# KiCad board Z3660_v021b.kicad_pcb (continued)
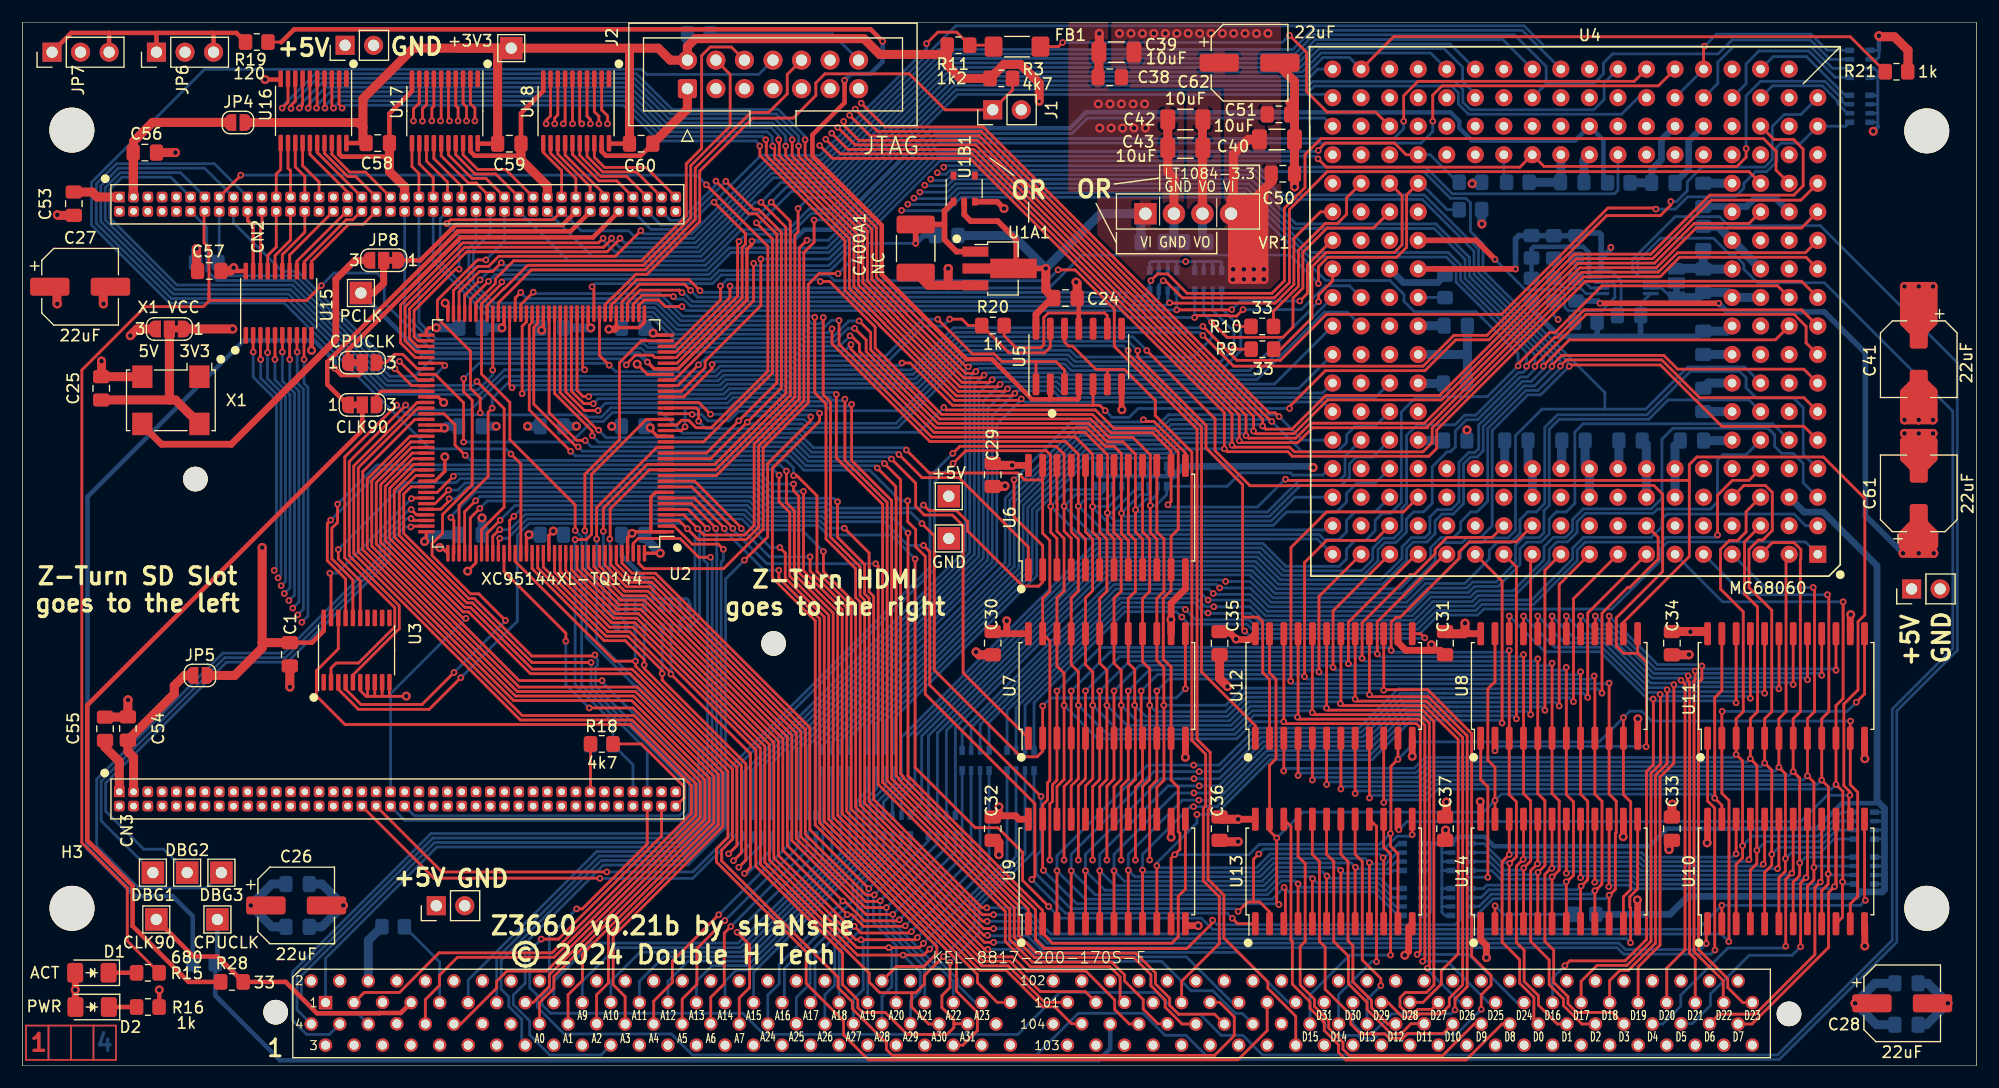
[diagram p0: board, top side]
## Routing (per net, layer and track width the routed paths; a pad name or vN(x,y) marks a point on that pad's centre or on a via; arc(x,y) is an arc through that point) (continued)
  Bottom w0.25: RN2.5 162.29,83.6 U4.127 158.29,82.1 156.53,82.1 156.15,81.72 156.15,80.47 155.24,79.56 154.26,79.56 153.21,78.51 153.21,78.08 152.45,77.32 148.21,77.32 147.12,76.23 v2(145.39,76.23) ; v2(105.06,65.8) 104.93,65.66 82.85,65.66 79.1,61.91 68.72,61.91 68.37,62.25 62.08,62.25 61.58,61.75 52.81,61.75 v2(52.22,62.33) 52.06,62.5 40.63,62.5 v2(39.27,61.14) ; v2(38.4,34.98) 42.99,39.56 v2(42.99,39.61)
_040EMUL: length 143.8
  Top w0.25: v2(149.71,90.72) 149.63,90.65 U4.166 ; v2(55.04,74.3) 52.77,72.03 42.39,72.03 41.49,71.13 40.51,71.13 38.36,68.97 U2.71
  Bottom w0.25: RN1.8 160.64,90.36 159.19,91.8 150.78,91.8 v2(149.71,90.72) 135.47,90.72 133.65,92.54 114.78,92.54 114.62,92.54 83.07,92.54 71.15,80.62 66.17,80.62 59.57,74.02 55.31,74.02 v2(55.04,74.3) ; U4.150 U4.166
_040IPEND: length 172.9
  Top w0.25: v2(34.1,58.79) 34.1,58.76 29.09,53.75 29.09,45.36 33.54,40.91 33.54,38.88 29.41,34.75 U3.5 ; v2(105.06,64.98) 107.8,62.25 124.66,62.25 127.41,64.99 130.35,64.99 141.01,75.65 145.78,75.65 146.71,76.58 v2(146.71,76.9)
  Bottom w0.25: v2(34.1,58.79) 34.55,58.34 39.87,58.34 42.88,61.35 43.22,61.35 43.22,61.35 61.75,61.35 62.25,61.85 68.21,61.85 68.55,61.51 79.27,61.51 83.02,65.26 104.79,65.26 v2(105.06,64.98) ; U4.145 158.29,84.64 156.8,84.64 155.75,83.59 155.75,80.63 155.07,79.96 149.48,79.96 148.18,78.66 148.18,77.86 147.23,76.9 v2(146.71,76.9)
_040RSTI: length 154.3
  Top w0.25: v2(63.77,73.35) 63.65,73.23 63.65,68.47 58.19,63.01 U2.32 56.29,63.01 56.08,63.22 54.55,63.22 53.75,62.41 v2(53.75,62.36)
  Bottom w0.25: v2(53.75,62.36) 53.19,62.91 36.47,62.91 34.9,61.34 32.71,61.34 24.18,69.88 17.32,69.88 16.41,70.79 16.41,74.59 CN2.12 ; v2(63.77,73.35) 64.42,74 68.34,74 70.17,75.83 72.06,75.83 83.07,86.84 114.65,86.84 114.99,87.18 127.2,87.18 127.81,86.57 127.81,85.57 128.71,84.66 142.32,84.66 143.8,86.14 U4.151
_040RSTO: length 123.4
  Top w0.25: v2(78.28,62.53) 79.01,62.53 82.78,58.76 88.66,58.76 88.67,58.76 89.14,58.76 89.15,58.76 95.26,58.76 ; U5.5 95.29,58.79 95.26,58.76 ; v2(96.37,58.29) 95.9,58.76 95.26,58.76 ; U4.129 155.89,82.42 157.63,82.42 158.5,81.56 158.5,78.3 157.66,77.47 150.19,77.47 144.93,72.21 138.13,72.21 130.51,64.59 127.57,64.59 124.83,61.85 115.97,61.85 112.78,58.65 v2(112.78,58.48) ; U2.25 58.87,59.51 61.38,62.02 v2(61.38,62.4)
  Bottom w0.25: v2(96.37,58.29) 96.98,57.68 98.5,57.68 99.29,58.48 v2(112.78,58.48) ; v2(61.38,62.4) 61.63,62.65 68.54,62.65 68.88,62.31 78.06,62.31 v2(78.28,62.53)
_060IPL0: length 117.1
  Top w0.25: U2.70 38.86,68.85 40.68,70.68 41.85,70.68 v2(42.62,71.45)
  Bottom w0.25: U4.169 140.78,87.45 140.78,85.99 139.86,85.06 128.88,85.06 128.21,85.74 128.21,86.86 127.49,87.58 114.83,87.58 114.48,87.24 82.9,87.24 71.9,76.23 70.01,76.23 68.17,74.4 63.96,74.4 60.79,71.22 42.85,71.22 v2(42.62,71.45)
_060IPL1: length 116.9
  Top w0.25: v2(40.74,69.92) 39.36,68.54 U2.69 ; U4.168 143.47,87.6 124.22,87.6 122.94,86.32 v2(122.94,84.05)
  Bottom w0.25: v2(40.74,69.92) 41.61,70.8 60.93,70.8 62.9,72.76 71.63,72.76 81.36,82.5 122.05,82.5 122.94,83.38 v2(122.94,84.05)
_060IPL2: length 118.9
  Top w0.25: v2(125.53,84.05) 125.53,86.37 126.36,87.2 145.61,87.2 U4.167 ; v2(41.48,69.8) 39.86,68.18 U2.68
  Bottom w0.25: v2(125.53,84.05) 125.53,83.13 124.49,82.1 81.53,82.1 71.79,72.36 63.06,72.36 61.1,70.4 42.08,70.4 v2(41.48,69.8)
_AS: length 103.4
  Top w0.25: v2(85.9,11.59) 85.56,11.59 74.16,22.99 74.16,41.09 71.29,43.96 v2(71.29,45.75) ; U2.117 41.86,47.11 42.44,47.69 v2(42.49,47.69)
  Bottom w0.25: v2(85.9,11.59) 85.95,11.54 89.44,11.54 90.91,10.07 108.23,10.07 112.67,5.63 CN1.133 ; v2(71.29,45.75) 69.37,47.68 65.56,47.68 64.18,49.05 44.76,49.05 43.4,47.69 v2(42.49,47.69)
_AVEC: length 90.4
  Top w0.25: v2(51.1,46.86) 51.1,49.66 56.46,55.01 U2.16
  Bottom w0.25: CN1.12 29.9,4.57 26.3,4.57 24.83,6.05 24.83,7.99 36.69,19.85 58.41,19.85 60.58,22.02 60.58,28.3 51.1,37.77 v2(51.1,46.86)
_AVEC040: length 117.4
  Top w0.25: v2(52.43,73.63) 52.43,73.54 51.72,72.83 39.36,72.83 34.05,67.52 34.05,64.5 35.04,63.51 U2.76
  Bottom w0.25: v2(52.43,73.63) 52.43,73.53 53.14,72.82 60.06,72.82 66.66,79.42 71.65,79.42 81.87,89.64 113.41,89.64 115.09,91.32 131.75,91.32 U4.172
_BB040: length 135.5
  Top w0.25: R21.1 162.69,91.57 122.03,91.57 U4.178 ; U2.17 60.62,55.51 66.74,61.63 66.74,73.58 v2(65.32,75)
  Bottom w0.25: U4.178 118.11,89.72 115.76,89.72 114.07,88.04 82.54,88.04 72.3,77.8 68.44,77.8 65.64,75 v2(65.32,75)
_BERR: length 56.7
  Top w0.25: v2(50.44,31.83) 54.33,31.83 60.74,25.41 60.74,21.93 60.15,21.34 46.9,8.09 46.9,7.04 45.45,5.6 CN1.29 ; U2.119 42.86,43.99 48.36,38.48 v2(48.36,37.77)
  Bottom w0.25: v2(48.36,37.77) 48.36,33.91 v2(50.44,31.83)
_BG: length 94.7
  Top w0.25: CN1.105 94.6,6.58 90.59,6.58 87.89,9.28 85.54,9.28 72.56,22.26 72.56,40.43 69.09,43.89 69.09,50.69 68.63,51.15 v2(68.63,51.76) ; U2.101 36.91,51.01 v2(38.35,52.45)
  Bottom w0.25: v2(68.63,51.76) 66.58,51.76 65.69,52.65 38.55,52.65 v2(38.35,52.45)
_BG040: length 113.5
  Top w0.25: v2(51.69,73.63) 51.28,73.23 39.2,73.23 33.65,67.68 33.65,64.33 34.98,63.01 U2.77
  Bottom w0.25: U4.174 127.07,90.92 115.26,90.92 113.57,89.24 82.03,89.24 71.81,79.02 66.83,79.02 60.23,72.42 52.71,72.42 51.69,73.45 v2(51.69,73.63)
_BGACK: length 101.4
  Top w0.25: U2.94 34.69,54.51 31.89,51.71 31.89,46.57 38.9,39.56 38.9,39.56 39.23,39.22 39.24,39.22 44.2,34.26 v2(51.59,34.26)
  Bottom w0.25: v2(51.59,34.26) 51.59,34.13 59.78,25.94 59.78,22.35 58.08,20.65 36.35,20.65 24.03,8.32 24.03,4.04 25.3,2.77 27.32,2.77 CN1.8
_BGACK040: length 15.4
  Top w0.25: U2.102 34.68,50.51 v2(34.62,50.46) ; U3.19 27.46,43.72 v2(27.36,43.82)
  Bottom w0.25: v2(34.62,50.46) 27.99,43.82 v2(27.36,43.82)
_BGR040: length 124.3
  Top w0.25: v2(115.31,80.7) 116.05,79.96 133.29,79.96 U4.208 135.43,80.03 152.6,80.03 153.42,80.84 v2(153.42,81.61) ; U2.28 58.01,61.01 65.07,68.08 65.07,71.4 v2(65.08,71.4)
  Bottom w0.25: v2(153.42,81.61) 153.42,86.32 154.7,87.6 160.43,87.6 161.96,86.06 161.96,85.83 162.24,85.56 RN2.7 ; v2(65.08,71.4) 65.29,71.19 71.76,71.19 81.5,80.93 115.08,80.93 v2(115.31,80.7)
_BOSS: length 8.1
  Bottom w0.25: CN1.17 37.13,9.22 R13.1
_BR: length 60.2
  Top w0.25: v2(61.71,47.79) 61.71,47.86 59.55,50.01 U2.6
  Bottom w0.25: CN1.25 42.21,5.61 42.21,9.53 51.33,18.65 58.91,18.65 61.79,21.53 61.79,44.97 61.81,45 61.81,45.48 61.79,45.5 61.79,47.71 v2(61.71,47.79)
_BR040: length 84
  Top w0.25: U2.11 61.76,52.51 68.74,59.49 68.74,73.24 68.74,73.91 69.04,74.2 v2(69.04,76.28)
  Bottom w0.25: v2(69.04,76.28) 70,77.24 72.34,77.24 82.74,87.64 114.25,87.64 115.3,88.68 U4.179
_BTT: length 84
  Top w0.25: v2(65.72,71.79) 65.72,67.63 60.76,62.67 60.76,62.11 58.66,60.01 U2.26 ; U4.212 123.16,81.06 122.12,82.1 115.96,82.1 115.34,81.48 v2(115.34,81.45)
  Bottom w0.25: U4.212 125.31,81.06 127.76,78.61 R5.2 ; v2(115.34,81.45) 115.25,81.36 81.35,81.36 71.78,71.79 v2(65.72,71.79)
_CEAB: length 210
  Top w0.25: v2(162.71,30.66) 162.69,30.63 U11.11 162.69,24.99 163.35,24.33 163.35,15.05 162.69,14.39 U10.11 ; U13.11 122.43,18.86 121.77,19.53 v2(121.77,20.65) 121.8,20.69 121.8,26.63 v2(122.43,27.25) U12.11 ; v2(142.49,30.96) U8.11 142.49,24.12 143.14,23.47 143.14,15.67 142.49,15.02 U14.11 ; v2(82.01,58.57) 82.23,58.35 95.5,58.35 97.14,56.71 100.76,56.71 102.87,54.6 102.87,47.73 102.23,47.09 102.23,42.28 101.54,41.58 101.54,36.17 102.23,35.47 U7.11 102.23,25.4 102.87,24.77 102.87,20.82 103.02,20.67 103.02,19.24 v2(102.55,18.77) 102.23,18.45 U9.11 ; U2.23 57.29,58.53 59.98,58.53 60.18,58.32 v2(60.18,57.35)
  Bottom w0.25: v2(60.18,57.35) 60.85,56.68 69.27,56.68 69.6,56.36 79.8,56.36 v2(82.01,58.57) ; v2(121.77,20.65) 120.79,19.68 110.08,19.68 109.17,18.77 v2(102.55,18.77) ; v2(162.71,30.66) 145.01,30.66 144.13,31.54 143.07,31.54 v2(142.49,30.96) 140.34,28.81 123.98,28.81 v2(122.43,27.25)
_CEBA: length 223.3
  Top w0.25: U2.80 36.75,61.51 39.26,59 v2(39.26,55.5) ; 151.26,38.43 151.26,33.38 150.62,32.74 v2(150.62,23.8) 151.26,23.16 U10.23 ; U14.23 v2(131.06,23.6) 131.06,26.55 130.43,27.18 130.43,33.53 131.06,34.16 131.06,38.43 ; v2(111.83,14.33) 111.64,14.53 v2(111.64,20.25) 111,20.89 U13.23 111,26.73 111.57,27.3 111.57,34.36 111,34.94 111,38.43 ; v2(90.87,17.37) 90.8,17.44 U9.23 90.8,23.21 91.24,23.64 91.24,25.16 91.44,25.37 91.44,37.8 90.8,38.43 90.8,41.57 91.44,42.21 91.44,46.74 90.8,47.37 U6.23 90.8,52.17 90.75,52.12 89.21,52.12 88.59,52.74 80.72,52.74 v2(78.67,54.78)
  Bottom w0.25: v2(111.83,14.33) 111.76,14.4 93.84,14.4 v2(90.87,17.37) ; v2(150.62,23.8) 150.27,24.16 131.62,24.16 v2(131.06,23.6) 130.02,22.56 113.94,22.56 v2(111.64,20.25) ; v2(78.67,54.78) 78.46,54.99 70.4,54.99 69.11,56.28 58.74,56.28 56.89,58.13 52.5,58.13 51.69,57.31 50.68,57.31 48.87,55.5 v2(39.26,55.5)
_CIIN: length 83.7
  Top w0.25: U2.10 59.83,52.01 63.98,47.86 v2(63.98,47.79) ; v2(70.1,45.28) 70.1,44.02 73.36,40.76 73.36,22.61 85.64,10.34 v2(85.93,10.34)
  Bottom w0.25: v2(85.93,10.34) 89.51,10.34 90.58,9.27 101.4,9.27 104.01,6.66 105.96,6.66 107.98,4.64 108.58,4.64 CN1.132 ; v2(63.98,47.79) 66.49,45.28 v2(70.1,45.28)
_CIOUT: length 112.9
  Top w0.25: v2(28.05,49.97) 28.05,48.34 27.54,47.83 27.54,45.1 29.41,43.22 U3.16 ; CN1.101 90.98,5.63 87.72,8.88 85.38,8.88 72.16,22.1 72.16,40.26 68.69,43.73 68.69,49.39 68,50.09 v2(68,52.91)
  Bottom w0.25: v2(28.05,49.97) 31.53,53.45 67.45,53.45 v2(68,52.91)
_CLA: length 2.4
  Bottom w0.25: U4.194 126.6,68.36 R6.2
_CLKEN: length 160.6
  Top w0.25: v2(49.2,47.62) 49.2,49.89 43.38,55.71 43.38,59.03 40.86,61.54 U2.66 40.86,67.8 42.66,69.6 v2(42.66,69.74)
  Bottom w0.25: v2(49.2,47.62) 49.77,47.05 49.77,33.88 55.61,28.04 CN3.75 ; U4.205 142.01,77.9 141.7,77.59 127.26,77.59 124.89,79.96 113.33,79.96 112.76,80.53 81.67,80.53 71.9,70.76 62.02,70.76 61.26,70 42.92,70 v2(42.66,69.74)
_CPURST: length 74
  Top w0.25: v2(63.23,47.8) 63.23,47.85 59.57,51.51 U2.9 ; CN1.109 97.7,6.02 97.7,7.89 96.78,8.81 89.72,8.81 87.48,11.05 87.48,13.72 76.16,25.04 76.16,44.45 v2(75.95,44.66)
  Bottom w0.25: v2(75.95,44.66) 66.26,44.66 63.23,47.7 v2(63.23,47.8)
_DMACOE: length 150.2
  Top w0.25: v2(86.44,13.42) 85.45,13.42 75.36,23.51 75.36,41.59 74.95,41.99 74.95,44.6 72.54,47.01 v2(72.54,50.18) ; v2(143.13,10.93) 143.13,14.04 143.06,14.11 143.06,15.02 143.76,15.72 U14.13 ; v2(37.93,51.21) 36.73,50.01 U2.103
  Bottom w0.25: v2(86.44,13.42) 89.25,13.42 91.39,11.29 142.77,11.29 v2(143.13,10.93) ; v2(37.93,51.21) 38.75,51.21 39.39,51.85 65.34,51.85 66.71,50.48 72.24,50.48 v2(72.54,50.18)
_DS: length 77.7
  Top w0.25: v2(67.41,46.1) 67.89,45.62 67.89,43.4 71.36,39.93 71.36,21.75 83.53,9.58 85,8.11 85,7.39 86.76,5.63 CN1.97 ; v2(42.48,46.92) 42.36,46.8 U2.118
  Bottom w0.25: v2(42.48,46.92) 43.19,46.92 44.92,48.65 64.02,48.65 66.57,46.1 v2(67.41,46.1)
_DSACK0: length 63.8
  Top w0.25: U2.7 59.8,50.51 62.47,47.84 v2(62.47,47.79) ; CN1.91 83.7,1.82 85,3.11 85,4.75 83.13,6.62 83.13,9.41 70.96,21.58 70.96,39.76 67.32,43.41 v2(67.32,44.09)
  Bottom w0.25: v2(67.32,44.09) 66.02,44.09 62.47,47.64 v2(62.47,47.79)
_DSACK1: length 73.6
  Top w0.25: v2(60.96,47.79) 60.94,47.79 59.23,49.51 U2.5
  Bottom w0.25: CN1.1 26.98,9.54 36.89,19.45 58.58,19.45 60.98,21.85 60.98,44.66 60.66,44.97 60.66,47.5 v2(60.96,47.79)
_EMUL: length 63.6
  Top w0.25: U2.2 58.01,48.01 59.61,46.41 61.93,46.41 v2(62.38,45.95)
  Bottom w0.25: v2(62.38,45.95) 62.38,45 62.19,44.81 62.19,21.36 59.07,18.25 51.49,18.25 42.61,9.37 42.61,6.8 43.29,6.12 43.29,5.26 44.44,4.11 44.44,2.13 CN1.31
_HLT: length 97.3
  Top w0.25: U2.35 55.09,64.51 53.14,62.56 53.14,55.7 50.06,52.62 50.06,47.6 v2(50.05,47.6)
  Bottom w0.25: v2(50.05,47.6) 50.17,47.48 50.17,38.14 60.18,28.13 60.18,22.18 58.25,20.25 36.52,20.25 24.43,8.16 24.43,4.97 CN1.4
_INT2: length 76.4
  Top w0.25: v2(61.24,57.97) 60.19,59.01 U2.24 ; CN1.82 77.78,8.81 80.21,8.81 81.38,9.98 81.38,10.59 70.56,21.41 70.56,39.6 66.74,43.42 66.74,53.15 70.94,57.35 v2(70.94,58.06)
  Bottom w0.25: v2(61.24,57.97) 62.9,57.97 63.59,58.65 66.88,58.65 67.22,58.31 70.7,58.31 v2(70.94,58.06)
_INT6: length 93
  Top w0.25: v2(64.26,44.98) 66.33,47.05 66.33,53.57 70.16,57.41 v2(70.16,57.73) ; U2.22 59.55,58.01 v2(59.61,57.95)
  Bottom w0.25: v2(64.26,44.98) 62.59,43.31 62.59,21.2 59.24,17.85 51.71,17.85 44.75,10.89 44.75,7.33 43.69,6.27 43.69,5.43 45.15,3.97 45.15,2.72 46.93,0.94 51.5,0.94 CN1.43 ; v2(70.16,57.73) 69.99,57.91 67.06,57.91 66.73,58.24 63.74,58.24 62.88,57.38 61.01,57.38 60.44,57.95 v2(59.61,57.95)
_IPEND: length 116.2
  Top w0.25: v2(69.52,51.1) 69.52,44.04 72.96,40.59 72.96,22.43 85.71,9.68 88.11,9.68 89.38,8.41 94.65,8.41 97.22,5.84 97.22,4.99 98.51,3.7 CN1.116 ; v2(28.11,45.93) 28.11,45.09 30.06,43.14 U3.15
  Bottom w0.25: v2(28.11,45.93) 34.06,51.88 38.59,51.88 38.97,52.25 65.51,52.25 66.66,51.1 v2(69.52,51.1)
_IPL0: length 103.5
  Top w0.25: v2(72.44,59.73) 72.44,54.08 76.56,49.95 76.56,25.2 87.88,13.89 87.88,11.21 89.88,9.21 96.95,9.21 98.1,8.06 98.1,7.53 99.76,5.87 99.76,5.02 101.05,3.72 CN1.120 ; v2(50.39,59.54) 49.91,59.54 49.36,60.09 U2.49
  Bottom w0.25: v2(50.39,59.54) 50.6,59.75 62.41,59.75 62.91,60.25 67.55,60.25 67.89,59.91 72.26,59.91 v2(72.44,59.73)
_IPL1: length 106.9
  Top w0.25: v2(73.2,59.31) 73.2,53.88 76.96,50.12 76.96,25.37 88.28,14.05 88.28,11.4 90.07,9.61 98.92,9.61 100.44,8.09 100.44,7.11 101.71,5.84 101.71,5.19 103.21,3.7 CN1.124 ; U2.50 48.86,60.02 49.97,58.91 v2(50.81,58.91)
  Bottom w0.25: v2(50.81,58.91) 51.24,59.35 62.58,59.35 63.08,59.85 67.38,59.85 67.72,59.51 71.86,59.51 71.86,59.49 72.2,59.16 73.05,59.16 v2(73.2,59.31)
_IPL2: length 109.9
  Top w0.25: v2(73.8,58.85) 73.8,53.85 77.36,50.28 77.36,25.53 88.68,14.22 88.68,11.56 90.24,10.01 99.09,10.01 100.84,8.26 100.84,7.27 102.11,6 102.11,5.36 102.9,4.57 106.11,4.57 CN1.128 ; U2.51 48.36,59.96 50.02,58.29 v2(51.23,58.29)
  Bottom w0.25: v2(73.8,58.85) 73.63,58.68 72.13,58.68 72.05,58.76 72.03,58.76 71.68,59.11 67.56,59.11 67.21,59.45 63.26,59.45 62.75,58.95 51.89,58.95 v2(51.23,58.29)
_LOCK: length 143.8
  Top w0.25: U2.3 58.44,48.51 v2(59.18,47.77) 60.14,46.81 64.43,46.81 65.53,47.91 65.53,55.14 69.54,59.16 69.54,72.36 70.46,73.28 v2(70.46,75.26) ; U3.3 28.11,33.5 29.9,31.7 36.2,31.7 v2(39.01,34.52)
  Bottom w0.25: RN21.6 58.54,39.61 58.79,39.86 59.54,39.86 59.86,40.18 59.86,47.09 v2(59.18,47.77) 58.7,48.25 45.09,48.25 44.04,47.2 44.04,39.55 v2(39.01,34.52) ; v2(70.46,75.26) 72.05,75.26 83.24,86.44 116.32,86.44 U4.162
_LOCKE: length 97.1
  Top w0.25: v2(69.82,73.46) 69.14,72.78 69.14,59.33 65.13,55.31 65.13,48.07 64.27,47.22 60.66,47.22 v2(60.1,47.78) 58.86,49.01 U2.4
  Bottom w0.25: U4.144 115.89,84.33 94.8,84.33 93.43,82.95 81.25,82.95 71.76,73.46 v2(69.82,73.46) ; v2(60.1,47.78) 60.26,47.61 60.26,39.88 RN21.5
_RAMSLOT: length 0
  Top w0.25: 33.4,3.7 33.4,3.7 33.4,3.7
_RESET: length 70.3
  Top w0.25: 96.54,61.95 96.56,61.93 U5.6 ; 96.54,61.95 98.08,61.95 100.83,59.21 100.83,57.85 104.08,54.59 104.08,28.94 105.31,27.71 105.31,23.1 105.11,22.89 105.11,16.43 106.53,15.01 106.53,10.85 103.17,7.5 CN1.117 ; 96.54,61.95 95.54,61.95 93.46,64.03 93.11,64.03 92.75,64.39 U5.12
_RMC: length 114
  Top w0.25: v2(67.34,52.54) 67.34,50.18 68.29,49.22 68.29,43.56 71.76,40.1 71.76,21.91 83.93,9.74 85.2,8.48 87.56,8.48 90.81,5.23 91.88,5.23 93.38,3.72 CN1.108 ; v2(27.44,48.54) 27.13,48.24 27.13,44.94 28.76,43.31 U3.17
  Bottom w0.25: v2(27.44,48.54) 31.94,53.05 66.83,53.05 v2(67.34,52.54)
_SNOOP: length 84.3
  Top w0.25: U4.200 123.19,77.49 123.19,72.83 122.31,71.94 116.18,71.94 115.35,71.11 v2(115.35,69.6) ; U2.33 58.12,63.51 62.97,68.36 v2(62.97,69.38)
  Bottom w0.25: v2(62.97,69.38) 63.15,69.21 91.38,69.21 94.3,72.13 112.82,72.13 v2(115.35,69.6) ; R7.2 126.8,76.17 124.45,78.52 U4.200
_STERM: length 61.8
  Top w0.25: U2.142 54.36,46.47 54.8,46.91 58.52,46.91 60.2,45.24 v2(61.24,45.24)
  Bottom w0.25: CN1.21 39.67,7.61 51.11,19.05 58.74,19.05 61.38,21.69 61.38,21.7 61.39,21.71 61.39,45.09 v2(61.24,45.24)
_TA: length 142.3
  Top w0.25: v2(52.27,46.86) 52.31,46.9 52.31,49.54 55.78,53.01 U2.12 61.7,53.01 68.34,59.66 68.34,74.79 68.33,74.81 68.33,75.16 v2(66.64,76.84)
  Bottom w0.25: RN22.7 53.74,39.41 53.29,39.86 52.77,39.86 52.27,40.36 v2(52.27,46.86) ; U4.175 125.33,90.12 115.59,90.12 113.91,88.44 82.37,88.44 72.13,78.2 68,78.2 v2(66.64,76.84) 65.71,75.9 64.91,75.9 60.62,71.62 48.59,71.62 CN2.58
_TBI: length 150.5
  Top w0.25: 35.94,64 U2.75 ; 35.94,64 U2.75 ; 35.94,64 U2.75 ; U2.75 35.15,64.01 34.45,64.71 34.45,67.35 39.53,72.43 52.05,72.43 53.18,73.57 v2(53.18,73.63)
  Bottom w0.25: 135.62,87.38 139.83,87.38 140.72,88.27 140.72,89.23 141.53,90.04 150.93,90.04 152.17,91.29 159.14,91.29 160.87,89.56 RN1.7 ; 135.62,87.38 U4.155 ; 135.62,87.38 135.62,88.92 132.8,91.74 114.95,91.74 114.93,91.72 114.93,91.72 113.24,90.04 81.7,90.04 71.48,79.82 66.5,79.82 59.9,73.22 53.59,73.22 v2(53.18,73.63)
_TCI: length 123.3
  Top w0.25: v2(37.76,74.94) 38.1,75.28 47.24,75.28 CN2.64 ; U2.74 35.21,64.51 34.85,64.87 34.85,67.19 38.54,70.88 v2(38.86,70.88)
  Bottom w0.25: CN2.64 49.72,74.3 53.96,74.3 54.63,73.62 59.73,73.62 66.33,80.22 71.32,80.22 81.53,90.44 113.08,90.44 114.76,92.12 114.76,92.12 114.78,92.14 133.48,92.14 U4.171 ; v2(38.86,70.88) 38.86,73.84 v2(37.76,74.94)
_TEA: length 144.2
  Top w0.25: v2(65.74,76.84) 67.94,74.63 67.94,59.83 61.63,53.51 U2.13 55.61,53.51 51.7,49.6 v2(51.7,47.55)
  Bottom w0.25: RN22.8 51.7,40.19 51.7,47.55 v2(51.7,47.55) ; CN2.62 50.73,72.02 60.4,72.02 65.21,76.84 v2(65.74,76.84) 67.5,78.6 71.97,78.6 82.2,88.84 113.74,88.84 115.42,90.52 126.52,90.52 128.18,88.86 128.18,87.58 129.31,86.45 U4.157
_TRA: length 2.6
  Bottom w0.25: R8.2 131.85,78.86 U4.209
_TS: length 59.8
  Top w0.25: U2.31 58.26,62.51 64.05,68.31 64.05,72.81 64.35,73.11 64.35,74.05 v2(61.56,76.84) ; FB1.1 86.3,90.81 R11.1 83.15,91.97 81.48,91.97 v2(80.47,90.96)
  Bottom w0.25: CN2.74 55.95,74.42 58.92,74.42 61.34,76.84 v2(61.56,76.84) 65.74,81.02 70.99,81.02 80.47,90.5 v2(80.47,90.96)
A0: length 81.9
  Top w0.25: U2.88 34.93,57.51 30.29,52.87 30.29,45.91 37.3,38.9 37.3,38.9 38.57,37.62 38.58,37.62 43.71,32.49 54.23,32.49 61.14,25.58 61.14,21.76 47.3,7.92 47.3,6.88 46.02,5.6 CN1.36
A1: length 79.7
  Top w0.25: CN1.40 48.56,6.29 49.84,7.57 49.84,9.9 61.54,21.6 61.54,25.75 54.4,32.89 43.88,32.89 38.74,38.02 38.74,38.02 37.7,39.06 37.7,39.07 30.69,46.08 30.69,52.2 34.5,56.01 U2.91
A2: length 78
  Top w0.25: U2.92 34.56,55.51 31.09,52.04 31.09,46.24 38.1,39.23 38.1,39.23 38.9,38.42 38.91,38.42 44.04,33.29 54.56,33.29 61.94,25.91 61.94,21.43 52.16,11.65 52.16,7.35 51.1,6.29 CN1.44
A3: length 77.4
  Top w0.25: CN1.48 53.64,6.13 52.58,7.2 52.58,11.51 62.34,21.27 62.34,26.08 54.73,33.69 44.21,33.69 39.07,38.82 39.07,38.82 38.5,39.39 38.5,39.4 31.49,46.41 31.49,51.87 34.63,55.01 U2.93
BCLK_FPGA: length 37.8
  Top w0.25: U2.95 34.76,54.01 32.29,51.54 32.29,46.74 39.23,39.8 v2(39.47,39.8)
  Bottom w0.25: v2(39.47,39.8) 39.47,39.8 32.77,33.1 32.77,24.38 CN3.39
CLK90: length 27.1
  Top w0.4: TP10.1 15.21,9.7 17.38,9.7 R28.2 23.42,7.44 26.21,4.65 31.75,4.65 31.78,4.68 33.67,4.68 CN1.13
  Bottom w0.25: 34.87,5.8 34.67,5.6 34.87,5.8
CLK90_CPLD: length 5.4
  Top w0.3: U2.83 31.94,60.01 31.55,59.61 JP9.3
CLK90_FPGA: length 33.5
  Top w0.4: JP9.1 27.13,60.62 27.13,62.61 38.77,74.25 48.79,74.25 50.53,75.99 CN2.68
CPUCLK: length 92.2
  Bottom w0.4: 17.86,5.54 17.35,6.04 ; 17.86,5.54 17.15,6.24 R29.2 17.35,9.26 TP11.1 ; 17.86,5.54 22.93,0.47 95.79,0.47 96.82,1.49 CN1.112
CPUCLK_CPLD: length 5.2
  Top w0.25: JP10.3 32.36,62.56 33.1,63.3 33.86,63.3 35.14,62.01 U2.79
CPUCLK_FPGA: length 30.4
  Top w0.4: JP10.1 28.95,63.65 39,73.7 50.78,73.7 53.07,75.99 CN2.72
CPUCLK_RECVD: length 123.8
  Top w0.25: v2(50.7,69.32) 50.86,69.16 U2.46 ; CN1.135 113.33,4.39 110.85,6.87 110.85,7.44 106.93,11.36 106.93,15.17 105.52,16.58 105.52,22.74 105.71,22.93 105.71,27.87 104.55,29.04 104.55,56.64 97.18,64.01 97.18,67.32 93.69,70.82 v2(92.18,70.82)
  Bottom w0.25: v2(92.18,70.82) 91.22,69.86 72.26,69.86 71.75,70.36 62.19,70.36 61.43,69.6 50.98,69.6 v2(50.7,69.32)
D0: length 43.5
  Top w0.25: U10.22 v2(152.53,18.84) ; CN1.172 134.53,4.09 134.53,6.06 133.26,7.33 133.26,9.43 131.7,10.99 131.7,18.13 v2(132.34,18.77) 132.33,18.77 U14.22
  Bottom w0.25: v2(132.34,18.77) 132.51,18.94 144.14,18.94 144.54,18.55 152.23,18.55 v2(152.53,18.84)
D1: length 44.9
  Top w0.25: v2(153.67,18.32) 153.8,18.45 U10.21 ; U14.21 133.6,18.38 v2(133.57,18.35) 132.97,17.74 132.97,10.95 133.66,10.26 133.66,7.5 134.93,6.22 134.93,5.38 136.61,3.7 CN1.176
  Bottom w0.25: v2(133.57,18.35) 133.77,18.54 143.98,18.54 144.38,18.15 153.5,18.15 v2(153.67,18.32)
D2: length 46.1
  Top w0.25: v2(154.94,17.92) 155.07,18.04 U10.20 ; U14.20 134.87,17.98 v2(134.84,17.95) 134.24,17.35 134.24,11.05 135.89,9.4 135.89,7.2 137.16,5.93 137.16,5.33 138.8,3.7 CN1.180
  Bottom w0.25: v2(154.94,17.92) 154.77,17.75 144.21,17.75 143.81,18.14 135.04,18.14 v2(134.84,17.95)
D3: length 48.2
  Top w0.25: U10.19 156.34,17.65 v2(156.21,17.52) ; U14.19 136.14,17.57 v2(136.12,17.55) 136.04,17.55 135.51,17.02 135.51,11.05 136.29,10.27 136.29,7.4 137.56,6.13 137.56,5.5 138.33,4.73 141.51,4.73 CN1.184
  Bottom w0.25: v2(136.12,17.55) 136.31,17.74 143.65,17.74 144.05,17.34 155.18,17.34 155.36,17.52 v2(156.21,17.52)
D4: length 52
  Top w0.25: 157.61,21.92 157.61,17.25 v2(157.48,17.12) 156.95,16.59 v2(156.95,10.62) ; U14.18 v2(137.41,17.11)
  Bottom w0.25: v2(156.95,10.62) 156.78,10.46 151.79,10.46 147.6,6.26 147.6,5.3 146,3.7 CN1.188 ; v2(137.41,17.11) 137.59,17.29 143.54,17.29 143.88,16.94 155.35,16.94 155.35,16.94 157.3,16.94 v2(157.48,17.12)
D5: length 51.2
  Top w0.25: U10.17 158.88,16.85 v2(158.75,16.72) 158.27,16.24 v2(158.27,10.58) ; U14.17 v2(138.68,16.71)
  Bottom w0.25: v2(138.68,16.71) 138.86,16.89 143.37,16.89 143.72,16.54 155.51,16.54 155.52,16.54 158.57,16.54 v2(158.75,16.72) ; CN1.192 148.62,3.72 150.24,5.34 150.24,6.37 153.69,9.82 157.51,9.82 v2(158.27,10.58)
D6: length 50.2
  Top w0.25: v2(139.94,16.31) 139.95,16.33 U14.16 ; U10.16 160.15,16.45 v2(160.02,16.32) 159.54,15.84 159.54,9.87 154.24,4.57 151.01,4.57 CN1.196
  Bottom w0.25: v2(139.94,16.31) 140.12,16.49 143.2,16.49 143.55,16.14 155.68,16.14 155.68,16.14 159.84,16.14 v2(160.02,16.32)
D7: length 55.9
  Top w0.25: U14.15 141.22,15.94 v2(141.19,15.91) ; 161.42,16.06 v2(161.28,15.93) 160.76,15.4 160.76,10.52 153.94,3.7 CN1.200 ; 161.42,16.06 U10.15 161.42,20.74 ; 161.42,16.06 161.42,20.74 ; 161.42,21.8 161.42,20.74
  Bottom w0.25: v2(161.28,15.93) 161.1,15.74 155.85,15.74 155.85,15.74 143.3,15.74 142.98,16.06 141.34,16.06 v2(141.19,15.91)
D8: length 39.6
  Top w0.25: U13.22 112.9,21.29 112.9,11.16 113.03,11.03 113.03,7.24 114.6,5.67 114.6,5.1 115.87,3.83 115.87,3.12 117.14,1.85 117.14,1.17 117.82,0.49 128.48,0.49 131.69,3.7 CN1.168
D9: length 36.2
  Top w0.25: CN1.164 129.21,3.7 126.41,0.89 118.1,0.89 117.54,1.45 117.54,2.06 116.27,3.33 116.27,3.99 115,5.26 115,5.9 113.73,7.17 113.73,10.6 114.17,11.05 114.17,17.98 113.54,18.62 U13.21
D10: length 29.8
  Top w0.25: CN1.160 126.45,2.85 123.28,2.85 122.86,2.42 121.65,2.42 121.25,2.82 119.1,2.82 118.24,3.68 118.24,4.5 115.95,6.78 115.95,10.54 115.44,11.05 115.44,18.16 114.81,18.8 U13.20
D11: length 24.8
  Top w0.25: U13.19 116.08,18.8 116.71,18.16 116.71,11.05 118.02,9.75 118.02,7.28 119.68,5.62 119.68,4.98 121.84,2.82 122.69,2.82 123.59,3.72 CN1.156
D12: length 20.7
  Top w0.25: CN1.152 121.53,3.7 120.08,5.14 120.08,5.78 118.42,7.45 118.42,10.68 117.98,11.11 117.98,18.16 117.35,18.8 U13.18
D13: length 19.7
  Top w0.25: U13.17 118.62,18.8 119.25,18.16 119.25,9.4 120.9,7.75 v2(120.9,7.11)
  Bottom w0.25: v2(120.9,7.11) 119.68,5.89 CN1.148
D14: length 20.1
  Top w0.25: v2(120.52,9.25) 120.52,21.29 U13.16
  Bottom w0.25: CN1.144 117.14,6.29 120.09,9.25 v2(120.52,9.25)
D15: length 23.6
  Top w0.25: v2(121.77,9.83) 121.77,18.83 121.16,19.44 U13.15
  Bottom w0.25: v2(121.77,9.83) 118.14,9.83 114.6,6.29 CN1.140
D16: length 64.8
  Top w0.25: v2(145.14,32.62) 145.16,32.6 145.16,26.78 144.55,26.17 144.55,11.22 142.65,9.31 137.71,9.31 v2(137.29,8.89) ; 132.33,38.43 v2(132.33,40.01) ; 152.53,38.43 v2(152.53,32.28)
  Bottom w0.25: v2(137.29,8.89) 136.19,7.79 CN1.169 ; v2(132.33,40.01) 135.51,36.83 140.43,36.83 144.64,32.62 v2(145.14,32.62) 145.3,32.46 152.35,32.46 v2(152.53,32.28)
D17: length 62.5
  Top w0.25: 153.8,38.43 v2(153.8,32.68) ; 133.6,38.43 v2(133.6,40.01) ; v2(145.76,33.03) 145.8,33 145.8,26.85 144.95,26.01 144.95,11.05 142.81,8.91 140.15,8.91 138.73,7.5 CN1.173
  Bottom w0.25: v2(153.8,32.68) 153.62,32.86 145.94,32.86 v2(145.76,33.03) 145.58,33.21 144.62,33.21 140.6,37.23 136.38,37.23 v2(133.6,40.01)
D18: length 60.3
  Top w0.25: 134.87,38.43 v2(134.87,40.01) ; 155.07,38.43 v2(155.07,33.13) ; v2(146.39,33.45) 146.39,26.88 145.35,25.84 145.35,10.89 142.93,8.47 142.18,8.47 141.27,7.56 CN1.177
  Bottom w0.25: v2(155.07,33.13) 154.92,33.28 146.56,33.28 v2(146.39,33.45) 146.2,33.64 144.76,33.64 140.76,37.63 137.25,37.63 v2(134.87,40.01)
